# Altium PCB REV0.PcbDoc (part 2 of 2)
Units mil, origin at the board's own origin, x right, y up, seen from the top; angles counter-clockwise.
Board outline 3779.53 x 2440.94 mil, 4 copper layers (Top Layer, Layer 1, Layer 2, Bottom Layer), stack 23.756 mil thick; 116 components, 75 nets, 438 pads, 194 vias.
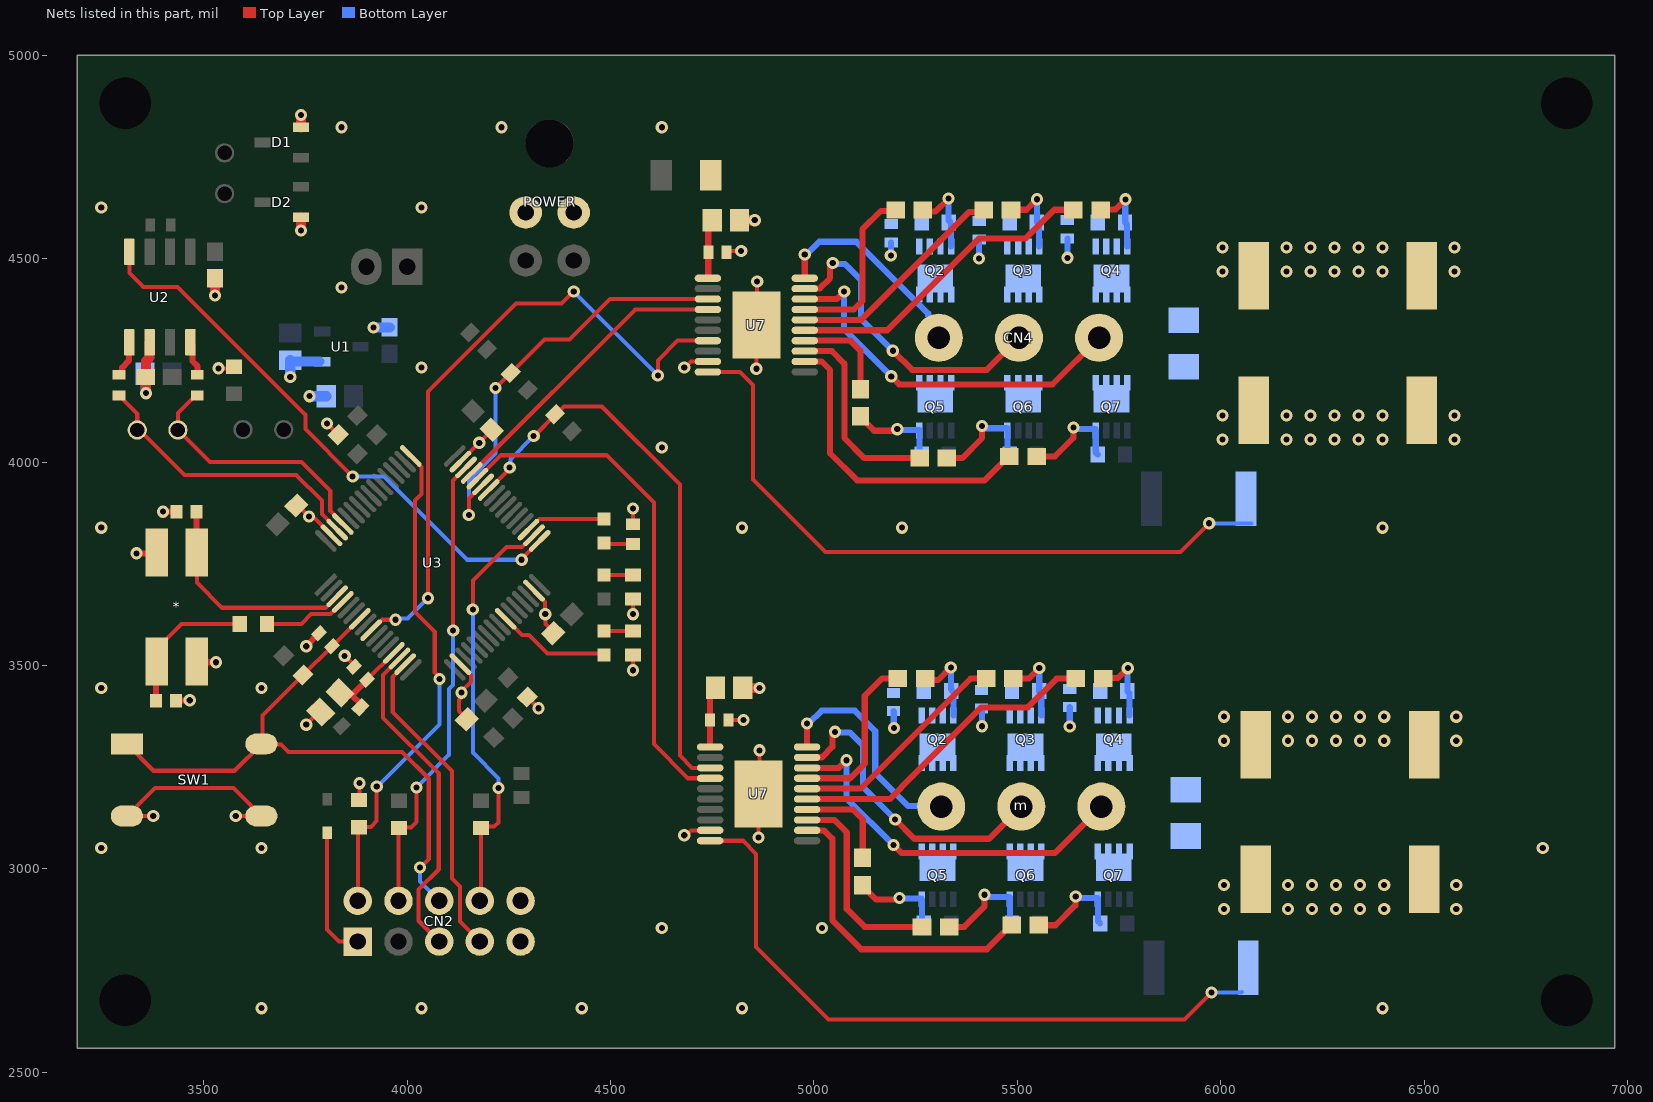
[diagram p4: the nets of this part, all layers, seen from the top]

## Via types
v1: diameter 30, hole 15, Top Layer to Bottom Layer, tented both sides, 194 vias

## Nets (pads, with @x,y where several pads share a name; then routed paths per layer and width w, separated by ;. In a path a pad name is that pad's centre, name@x,y a point inside that pad or via, vN(x,y) a via of type N, cw(c..) or ccw(c..) an arc to the next point about the centre after c; other vN are vias at no path point) (continued)
ESC_SS2: U3.9 U7.7@4739.17,4298.23 | length 1613.1
  Top Layer w10: U3.9@3911.51,3586.57 3912.14,3586.57 3937.78,3612.22 v1@3971.44,3612.22 ; v1(4051.18,3665.35) 4051.18,4173.23 4267.72,4389.76 4379.92,4389.76 v1(4409.45,4419.29) ; v1(4616.14,4212.6) 4616.14,4250 4664.37,4298.23 U7.7@4739.17,4298.23
  Bottom Layer w10: v1(3971.46,3612.2) 3974.88,3615.63 4001.46,3615.63 v1(4051.18,3665.35) ; v1(4409.45,4419.29) v1(4616.14,4212.6)
GHA_ESC1: R32.1@5206.5,3467.72 U7.17@4983.07,3222.64 | length 422.6
  Top Layer w15: U7.17@4983.07,3222.64 5088.79,3222.64 5124.8,3258.66 5124.8,3425.4 5167.13,3467.72 R32.1@5206.5,3467.72
GHA_ESC2: R32.1@5200.79,4620.08 U7.17@4977.36,4375 | length 428.1
  Top Layer w15: U7.17@4977.36,4375 5098.43,4375 5119.1,4395.67 5119.1,4571.85 5164.31,4617.06 5197.77,4617.06 R32.1@5200.79,4620.08
GHB_ESC1: R33.1@5423.03,3467.72 U7.16@4983.07,3197.05 | length 552.1
  Top Layer w15: U7.16@4983.07,3197.05 5114.36,3197.05 5384.8,3467.5 5385.05,3467.72 R33.1@5423.03,3467.72
GHB_ESC2: R33.1@5417.32,4620.08 U7.16@4977.36,4349.41 | length 552.1
  Top Layer w15: U7.16@4977.36,4349.41 5116.14,4349.41 5150.59,4383.86 5380.84,4614.11 5411.35,4614.11 R33.1@5417.32,4620.08
GHC_ESC1: R34.1@5643.51,3467.72 U7.15@4983.07,3171.46 | length 783.1
  Top Layer w15: U7.15@4983.07,3171.46 5185.83,3171.46 5242.91,3228.55 5411.22,3396.86 5525.39,3396.86 5596.26,3467.72 R34.1@5643.51,3467.72
GHC_ESC2: R34.1@5637.8,4620.08 U7.15@4977.36,4323.82 | length 783.1
  Top Layer w15: U7.15@4977.36,4323.82 5180.12,4323.82 5237.2,4380.91 5405.51,4549.21 5519.69,4549.21 5590.55,4620.08 R34.1@5637.8,4620.08
GLA_ESC1: R37.1@5119.88,3026.78 U7.14@4983.07,3145.87 | length 237.6
  Top Layer w15: U7.14@4983.07,3145.87 5091.34,3145.87 ; 5095.28,3145.87 5119.88,3121.27 R37.1@5119.88,3026.78
GLA_ESC2: R37.1@5114.17,4179.13 U7.14@4977.36,4298.23 | length 237.6
  Top Layer w15: U7.14@4977.36,4298.23 5085.63,4298.23 ; 5089.57,4298.23 5114.17,4273.62 R37.1@5114.17,4179.13
GLB_ESC1: R36.1@5265.55,2857.49 U7.13@4983.07,3120.28 | length 501.5
  Top Layer w15: U7.13@4983.07,3120.28 5050,3120.28 5080.51,3089.77 5080.51,2901.77 5124.8,2857.49 R36.1@5265.55,2857.49
GLB_ESC2: R36.1@5259.84,4009.84 U7.13@4977.36,4272.64 | length 498.6
  Top Layer w15: U7.13@4977.36,4272.64 5044.29,4272.64 5074.8,4242.13 5074.8,4059.06 5124.02,4009.84 R36.1@5259.84,4009.84
GLC_ESC1: R35.1@5486.03,2861.42 U7.12@4983.07,3094.69 | length 766.1
  Top Layer w15: U7.12@4983.07,3094.69 5024.41,3094.69 5045.08,3074.02 5045.08,2873.23 5115.94,2802.37 5425.11,2802.37 5484.17,2861.42 R35.1@5486.03,2861.42
GLC_ESC2: R35.1@5480.32,4013.78 U7.12@4977.36,4247.05 | length 768.4
  Top Layer w15: U7.12@4977.36,4247.05 5018.7,4247.05 5039.37,4226.38 5039.37,4021.65 5106.3,3954.72 5419.4,3954.72 5478.46,4013.78 R35.1@5480.32,4013.78
GND: *.2 *.4 C1.1 C2.1 C3.1 C4.1 C5.1 C6.1 C7.1 C8.1 C9.1 C10.1 C11.1 C12.1 C13.1 C14.1 C15.1 C17.2 C18.1 C19.2 C20.2 C21.1 C22.1 C23.1 C25.1 CN2.5 CN2.10 D1.2 D2.1 POWER.1 POWER.2 R4.2 R9.1 R11.1 R13.1 R14.1 R15.1 R16.1 R41.1 SW1.3 SW1.4 U1.1 U2.2 U3.18 U3.31 U3.47 U3.63 U7.9 U7.10 U7.21 | length 6443.6
  Top Layer w10: v1(3375.98,3129.92) SW1.3@3311.02,3129.92 3379.92,3198.82 3572.83,3198.82 SW1.4@3641.73,3129.92 v1(3578.74,3129.92) ; v1(3536.42,4230.31) 3570.87,4230.31 R9.1@3574.8,4234.25 ; C12.1@3727.75,3893.1 3731.9,3893.1 v1(3758.86,3866.14) 3762.68,3862.32 3771.69,3862.32 U3.63@3814.08,3819.93 ; v1(3751.97,3354.33) 3785.39,3387.75 C18.1@3787.36,3385.79 ; v1(3803.15,4094.49) R11.1@3830.71,4066.93 ; v1(3846.46,3523.62) 3869.56,3500.52 C17.2@3869.56,3496.58 ; R4.2@3881.89,3169.29 3882.87,3170.28 v1(3882.87,3210.63) ; U3.18@4130.95,3503.06 4130.95,3502.43 4156.6,3476.79 4156.6,3459.83 4133.86,3437.08 v1(4133.86,3433.07) 4130.03,3429.24 4130.03,3417.93 4126.97,3414.86 4126.97,3388.55 4146.87,3368.65 C14.1@4146.87,3367.34 ; U3.47@4130.95,4000.88 4130.95,4000.96 v1(4177.17,4047.24) v1(4177.17,4047.24) 4208.06,4078.14 C13.1@4208.06,4079.34 ; R13.1@4295.32,3422.2 v1(4322.87,3394.64) ; U3.31@4311.9,3684.01 4311.9,3683.38 4339.3,3655.98 4339.3,3626.25 v1(4339.57,3625.98) 4339.57,3601.38 4358.87,3582.08 C11.1@4358.87,3579.34 ; v1(4555.12,3488.19) R14.1@4555.12,3525.59 ; v1(4555.12,3625.98) R15.1@4555.12,3663.39 ; R16.1@4555.12,3847.06 v1(4555.12,3885.83) ; v1(4681.1,3082.68) 4685.39,3082.68 4697.4,3094.69 U7.9@4744.88,3094.69 ; v1(4681.1,4232.28) 4682.58,4232.28 4697.34,4247.05 U7.9@4739.17,4247.05 ; U7.10@4739.17,4221.46 4817.91,4221.46 4850.39,4188.98 4850.39,3956.69 5027.91,3779.18 5901.23,3779.18 v1(5971.46,3849.41) ; U7.10@4744.88,3069.1 4825.59,3069.1 4858.03,3036.65 4858.03,2807.58 5036.01,2629.61 5911.1,2629.61 v1(5977.36,2695.87) ; C25.1@4783.66,4518.5 v1(4821.06,4518.5) ; C25.1@4796.67,3354.9 4789.37,3362.2 C25.1@4789.37,3366.14 v1(4826.77,3366.14) ; v1(4858.27,4229.32) U7.21@4858.27,4336.61 ; U7.21@4860.43,4338.78 v1(4860.43,4443.69) ; v1(4863.98,3076.97) U7.21@4863.98,3184.26 4866.14,3186.42 v1(4866.14,3291.34)
  Top Layer w15: v1(3334.65,3775.59) 3382.53,3775.59 *.4@3384.5,3777.56 *.4@3384.84,3777.21 ; v1(3399.61,3877.95) C8.1@3433.07,3877.95 ; C7.1@3432.09,3413.39 3432.58,3413.88 3465.06,3413.88 v1(3465.55,3414.37) ; *.2@3482.92,3478.35 *.2@3482.92,3509.84 3484.89,3507.87 v1(3530.51,3507.87) ; v1(3751.97,3547.24) 3751.97,3547.5 3783.21,3578.74 C9.1@3783.21,3579
  Top Layer w25: v1(3358.27,4169.29) 3357.74,4169.82 3357.74,4208.13 C5.1@3357.21,4208.66 3358.27,4209.72 3358.27,4248.03 3366.8,4256.57 3366.8,4294 U2.2@3367.1,4294.29 ; v1(3527.56,4409.45) C6.1@3527.56,4451.69 ; v1(3739.17,4568.9) D2.1@3739.17,4601.38 ; D1.2@3739.17,4822.84 v1(3739.17,4853.35) ; C15.1@4816.93,4594.49 v1(4854.33,4594.49) ; C15.1@4824.8,3444.88 v1(4866.14,3444.88)
  Bottom Layer w10: C1.1@3801.18,4161.42 C1.1@3801.18,4161.82 ; C2.1@3956.69,4331.77 C2.1@3957.75,4330.71 ; v1(5971.46,3849.41) R41.1@6075.79,3849.41 ; v1(5977.36,2695.87) 6050.37,2695.87 R41.1@6052.17,2697.66
  Bottom Layer w15: v1(5188.98,4507.87) 5189.37,4508.27 5189.37,4539.37 C23.1@5189.76,4539.76 ; C23.1@5195.47,3387.41 5196.16,3386.72 5196.16,3347.15 v1(5196.85,3346.46) ; v1(5405.51,4500) 5405.91,4500.39 5405.91,4546.26 C21.1@5406.3,4546.65 ; C21.1@5412.01,3394.3 5412.7,3393.61 5412.7,3351.08 v1(5413.39,3350.39) ; C22.1@5622.84,4549.61 5622.93,4549.51 5622.93,4502.07 v1(5623.03,4501.97) ; C22.1@5628.54,3397.25 5628.64,3397.15 5628.64,3349.71 v1(5628.74,3349.61)
  Bottom Layer w25: C4.1@3355.32,4216.54 3357.31,4214.54 3357.31,4170.25 v1(3358.27,4169.29) ; v1(3712.6,4208.66) C3.1@3712.6,4250 3715.85,4246.75 U1.1@3784.15,4246.75 ; v1(3759.84,4161.82) 3760.05,4161.62 3800.98,4161.62 C1.1@3801.18,4161.42 ; v1(3917.32,4330.71) C2.1@3957.75,4330.71
  other v1: 3641.73,2657.48 4035.43,2657.48 4429.13,2657.48 4822.83,2657.48 6397.64,2657.48 4625.98,2854.33 5019.69,2854.33 6007.87,2901.57 6165.35,2901.57 6224.41,2901.57 6283.46,2901.57 6342.52,2901.57 6401.57,2901.57 6578.74,2901.57 6007.87,2960.63 6165.35,2960.63 6224.41,2960.63 6283.46,2960.63 6342.52,2960.63 6401.57,2960.63 6578.74,2960.63 3248.03,3051.18 3641.73,3051.18 6791.34,3051.18 3248.03,3444.88 3641.73,3444.88 3248.03,3838.58 4822.83,3838.58 5216.54,3838.58 6397.64,3838.58 4625.98,4035.43 6003.94,4055.12 6161.42,4055.12 6220.47,4055.12 6279.53,4055.12 6338.58,4055.12 6397.64,4055.12 6574.8,4055.12 6003.94,4114.17 6161.42,4114.17 6220.47,4114.17 6279.53,4114.17 6338.58,4114.17 6397.64,4114.17 6574.8,4114.17 4035.43,4232.28 3838.58,4429.13 3248.03,4625.98 4035.43,4625.98 3838.58,4822.83 4232.28,4822.83 4625.98,4822.83
Green: D4.2 U3.26 | length 278.7
  Top Layer w10: U3.26@4242.31,3614.41 4281.92,3574.8 4299.21,3574.8 4344.49,3529.53 4480.32,3529.53 D4.2@4484.25,3525.59
Net*_1: *.1 C7.2 R18.2 | length 358
  Top Layer w10: *.1@3382.87,3539.72 3445.52,3602.36 R18.2@3588.58,3602.36
  Top Layer w15: C7.2@3382.87,3413.39 *.1@3382.87,3539.72
NetCN2_1: CN2.1 D3.A | length 325.8
  Top Layer w10: D3.A@3803.15,3088.58 3803.15,2850.39 3832.28,2821.26 CN2.1@3878.74,2821.26
NetD4_1: D4.1 R14.2 | length 70.9
  Top Layer w10: D4.1@4484.25,3584.65 R14.2@4555.12,3584.65
NetD5_1: D5.1 R15.2 | length 70.9
  Top Layer w10: D5.1@4484.25,3722.44 R15.2@4555.12,3722.44
NetD6_1: D6.1 R16.2 | length 71.9
  Top Layer w10: D6.1@4484.25,3801.18 4486.82,3798.61 R16.2@4555.12,3798.61
NetQ2_ESC1_4: Q2.4@5342.72,3377.27 R29.1@5337.2,3436.62 R32.2@5273.49,3467.72 | length 200
  Top Layer w15: R32.2@5273.49,3467.72 5277.43,3463.79 5304.92,3463.79 v1(5336.42,3495.28)
  Bottom Layer w10: R29.1@5339.37,3438.79 R29.1@5337.2,3436.62 R29.1@5342.72,3431.11
  Bottom Layer w15: v1(5336.42,3495.28) 5336.81,3494.89 5336.81,3441.35 R29.1@5339.37,3438.79 ; Q2.4@5342.72,3377.27 R29.1@5342.72,3431.11
NetQ2_ESC2_4: Q2.4@5337.01,4529.63 R29.1@5331.5,4588.98 R32.2@5267.78,4620.08 | length 200
  Top Layer w15: R32.2@5267.78,4620.08 5271.72,4616.14 5299.21,4616.14 v1(5330.71,4647.64)
  Bottom Layer w10: R29.1@5333.66,4591.14 R29.1@5331.5,4588.98 R29.1@5337.01,4583.46
  Bottom Layer w15: v1(5330.71,4647.64) 5331.1,4647.24 5331.1,4593.7 R29.1@5333.66,4591.14 ; Q2.4@5337.01,4529.63 R29.1@5337.01,4583.46
NetQ3_ESC1_4: Q3.4@5559.25,3377.27 R30.1@5553.74,3436.62 R33.2@5490.03,3467.72 | length 193.1
  Top Layer w15: R33.2@5490.03,3467.72 5528.09,3467.72 v1(5553.87,3493.51)
  Bottom Layer w15: v1(5553.87,3493.51) 5553.74,3493.38 R30.1@5553.74,3436.62 5558.78,3431.58 5558.78,3377.74 Q3.4@5559.25,3377.27
NetQ3_ESC2_4: Q3.4@5553.54,4529.63 R30.1@5548.03,4588.98 R33.2@5484.32,4620.08 | length 193.1
  Top Layer w15: R33.2@5484.32,4620.08 5522.38,4620.08 v1(5548.16,4645.86)
  Bottom Layer w15: v1(5548.16,4645.86) 5548.03,4645.73 R30.1@5548.03,4588.98 5553.07,4583.94 5553.07,4530.1 Q3.4@5553.54,4529.63
NetQ4_ESC1_4: Q4.4@5775.79,3377.27 R31.1@5770.27,3436.62 R34.2@5710.5,3467.72 | length 190.4
  Top Layer w15: R34.2@5710.5,3467.72 5711.62,3468.84 5746.98,3468.84 v1(5771.46,3493.31)
  Bottom Layer w15: v1(5771.46,3493.31) 5770.87,3492.72 5770.87,3437.21 R31.1@5770.27,3436.62 5775.31,3431.58 5775.31,3377.74 Q4.4@5775.79,3377.27
NetQ4_ESC2_4: Q4.4@5770.08,4529.63 R31.1@5764.57,4588.98 R34.2@5704.79,4620.08 | length 190.4
  Top Layer w15: R34.2@5704.79,4620.08 5705.91,4621.19 5741.27,4621.19 v1(5765.75,4645.67)
  Bottom Layer w15: v1(5765.75,4645.67) 5765.16,4645.08 5765.16,4589.57 R31.1@5764.57,4588.98 5769.61,4583.94 5769.61,4530.1 Q4.4@5770.08,4529.63
NetQ5_ESC1_4: Q5.4@5264.76,2925.1 R37.2@5119.88,2959.78 R38.2@5270.28,2865.75 | length 226.6
  Top Layer w15: R37.2@5119.88,2959.78 R37.2@5119.88,2959.78 5119.88,2957.92 5153.39,2924.42 5206.5,2924.42 v1(5210.43,2928.35) v1@5210.43,2927.77
  Bottom Layer w15: v1(5210.43,2928.35) 5212.06,2926.73 5264.29,2926.73 5264.76,2926.26 Q5.4@5264.76,2925.1 5265.24,2924.63 5265.24,2870.79 R38.2@5270.28,2865.75
NetQ5_ESC2_4: Q5.4@5259.06,4077.46 R37.2@5114.17,4112.14 R38.2@5264.57,4018.11 | length 226.6
  Top Layer w15: R37.2@5114.24,4112.21 R37.2@5114.17,4112.14 5114.17,4110.28 5147.68,4076.77 5200.79,4076.77 v1(5204.73,4080.71) v1@5204.73,4080.12
  Bottom Layer w15: v1(5204.73,4080.71) 5206.35,4079.08 5258.58,4079.08 5259.06,4078.61 Q5.4@5259.06,4077.46 5259.53,4076.99 5259.53,4023.15 R38.2@5264.57,4018.11
NetQ6_ESC1_4: Q6.4@5481.3,2925.1 R36.2@5332.55,2857.49 R39.2@5486.81,2865.75 | length 285
  Top Layer w15: R36.2@5347.81,2870.9 5334.41,2857.49 5369.3,2857.49 5419.09,2907.28 v1(5419.09,2936.23)
  Bottom Layer w15: v1(5419.09,2936.23) 5424.66,2930.67 5480.83,2930.67 5481.3,2930.19 Q6.4@5481.3,2925.1 5481.77,2924.63 5481.77,2871.74 5481.3,2871.27 R39.2@5486.81,2865.75
NetQ6_ESC2_4: Q6.4@5475.59,4077.46 R36.2@5326.84,4009.84 R39.2@5481.1,4018.11 | length 285.4
  Top Layer w15: R36.2@5342.11,4023.25 5328.7,4009.84 5364.17,4009.84 5413.39,4059.05 v1(5413.39,4088.58)
  Bottom Layer w15: v1(5413.39,4088.58) 5418.95,4083.02 5475.12,4083.02 5475.59,4082.55 Q6.4@5475.59,4077.46 5476.06,4076.99 5476.06,4024.09 5475.59,4023.62 R39.2@5481.1,4018.11
NetQ7_ESC1_4: Q7.4@5697.84,2925.1 R35.2@5553.02,2861.42 R40.2@5703.35,2865.75 | length 252.9
  Top Layer w15: R35.2@5553.02,2861.42 5593.71,2861.42 5642.52,2910.24 5642.52,2931.31 v1(5643.5,2932.29)
  Bottom Layer w15: v1(5643.5,2932.29) 5647.1,2928.7 5697.36,2928.7 5697.83,2928.22 Q7.4@5697.84,2925.1 5698.31,2924.63 5698.31,2870.79 R40.2@5703.35,2865.75
NetQ7_ESC2_4: Q7.4@5692.13,4077.46 R35.2@5547.31,4013.78 R40.2@5697.64,4018.11 | length 255.6
  Top Layer w15: R35.2@5547.31,4013.78 5592.52,4013.78 5637.8,4059.06 v1(5637.8,4084.65)
  Bottom Layer w15: v1(5637.8,4084.65) 5641.39,4081.05 5691.65,4081.05 5692.13,4080.58 Q7.4@5692.13,4077.46 5692.6,4076.99 5692.6,4023.15 R40.2@5697.64,4018.11
NetR1_2: R1.2 U2.1 | length 92.5
  Top Layer w15: R1.2@3291.34,4214.57 3294.9,4214.57 3299.21,4218.88 3299.21,4232.28 3316.17,4249.24 3316.17,4293.37 U2.1@3317.1,4294.29
NetR3_2: R3.2 U2.4 | length 86.8
  Top Layer w15: U2.4@3467.1,4294.29 3472.39,4289 3472.39,4248.08 3484.25,4236.22 R3.2@3484.25,4214.57
NetU2_8: U2.8 U3.33 | length 1393.9
  Top Layer w10: U2.8@3317.1,4516.73 3317.1,4464.4 3351.38,4430.12 3436.02,4430.12 3750,4116.14 3750,4080.71 v1(3866.14,3964.57) ; v1(4281.5,3759.84) 4281.5,3761.06 4325.82,3805.39 U3.33@4325.82,3806.01
  Bottom Layer w10: v1(3866.14,3964.57) 3942.91,3964.57 4147.64,3759.84 v1(4281.5,3759.84)
NRST: C9.2 CN2.8 R5.1 SW1.1 SW1.2 U3.7 | length 1567.9
  Top Layer w10: SW1.1@3311.02,3307.09 3376.97,3241.14 3575.79,3241.14 SW1.2@3641.73,3307.09 SW1.2@3644.37,3309.72 ; U3.7@3883.68,3614.41 3883.16,3614.41 3815.74,3546.99 C9.2@3815.22,3546.99 3744.57,3476.34 R5.1@3744.14,3476.34 3644.37,3376.65 SW1.2@3644.37,3309.72 ; v1(4031.5,3002.95) 4053.15,3024.61 4053.15,3221.46 3987.2,3287.4 3708.66,3287.4 3690.24,3305.82 3648.27,3305.82 SW1.2@3644.37,3309.72
  Bottom Layer w10: v1(4031.5,3002.95) 4031.5,2968.5 CN2.8@4078.74,2921.26
OSC_IN: *.3 C8.2 U3.3 | length 557.1
  Top Layer w10: *.3@3482.92,3777.56 3482.92,3703.5 3544.69,3641.73 3799.64,3641.73 U3.3@3828,3670.09
  Top Layer w15: C8.2@3482.28,3877.95 3482.28,3778.2 *.3@3482.92,3777.56
OSC_OUT: R18.1 U3.4 | length 208.7
  Top Layer w10: R18.1@3655.51,3602.36 3740.16,3602.36 3763.78,3625.98 3811.73,3625.98 U3.4@3841.92,3656.17
PWM1: U3.44 U7.4@4744.88,3222.64 | length 1272.6
  Top Layer w10: U3.44@4172.71,3959.12 4230.32,4016.73 4490.16,4016.73 4606.3,3900.59 4606.3,3307.09 4690.74,3222.64 U7.4@4744.88,3222.64
PWM2: U3.45 U7.4@4739.17,4375 | length 746.9
  Top Layer w10: U3.45@4158.79,3973.04 4560.75,4375 U7.4@4739.17,4375
Red: D6.2 U3.35 | length 197.2
  Top Layer w10: U3.35@4297.99,3833.85 4298.61,3833.85 4325,3860.24 D6.2@4484.25,3860.24
RX: JP1.2 R3.1 U3.61 | length 637.2
  Top Layer w10: R3.1@3484.25,4163.39 3480.31,4163.39 3437.01,4120.08 3437.01,4079.13 JP1.2@3436.61,4078.74 3515.35,4000 3740.16,4000 3811.02,3929.13 3811.02,3879.29 3841.92,3848.39 U3.61@3841.92,3847.77
SA_ESC1: m.1 Q2.5@5342.72,3259.75 Q2.6@5316.73,3259.75 Q2.7@5290.75,3259.75 Q2.8@5264.76,3259.75 Q2.9@5303.74,3298.83 Q5.5@5264.76,3042.62 Q5.6@5290.75,3042.62 Q5.7@5316.73,3042.62 Q5.8@5342.72,3042.62 Q5.9@5303.74,3003.55 U7.20@4983.07,3299.42 | length 565.6
  Top Layer w15: U7.20@4983.07,3299.42 v1(4983.07,3357.49)
  Bottom Layer w15: v1(4983.07,3357.49) 4987.25,3357.49 5018.75,3388.98 5100.2,3388.98 5150.71,3338.47 5150.71,3234.92 5231.24,3154.38 5311.5,3154.38 m.1@5312.8,3153.09
  Bottom Layer w50: m.1@5308.27,3148.56 m.1@5312.8,3153.09
SA_ESC2: CN4.1 Q2.5@5337.01,4412.11 Q2.6@5311.02,4412.11 Q2.7@5285.04,4412.11 Q2.8@5259.06,4412.11 Q2.9@5298.03,4451.18 Q5.5@5259.06,4194.98 Q5.6@5285.04,4194.98 Q5.7@5311.02,4194.98 Q5.8@5337.01,4194.98 Q5.9@5298.03,4155.91 U7.20@4977.36,4451.77 | length 518
  Top Layer w15: U7.20@4977.36,4451.77 v1(4977.36,4509.84)
  Bottom Layer w15: v1(4977.36,4509.84) 4981.55,4509.84 5013.04,4541.34 5104.33,4541.34 5280.99,4364.68 5280.99,4359.44 5307.09,4333.34 CN4.1@5307.09,4305.44
SB_ESC1: m.2 Q3.5@5559.25,3259.75 Q3.6@5533.27,3259.75 Q3.7@5507.28,3259.75 Q3.8@5481.3,3259.75 Q3.9@5520.27,3298.83 Q6.5@5481.3,3042.62 Q6.6@5507.28,3042.62 Q6.7@5533.27,3042.62 Q6.8@5559.25,3042.62 Q6.9@5520.28,3003.55 U7.19@4983.07,3273.82 | length 772.1
  Top Layer w15: U7.19@4983.07,3273.82 4983.59,3274.35 5020.01,3274.35 5045.27,3299.61 5045.27,3330.12 v1(5051.97,3336.82) ; v1(5199.61,3121.27) 5246.85,3074.02 5430.58,3074.02 m.2@5509.65,3153.09
  Bottom Layer w15: v1(5051.97,3336.82) 5053.33,3335.45 5087.78,3335.45 5120.87,3302.37 5120.87,3200.01 v1(5199.61,3121.27)
SB_ESC2: CN4.2 Q3.5@5553.54,4412.11 Q3.6@5527.56,4412.11 Q3.7@5501.58,4412.11 Q3.8@5475.59,4412.11 Q3.9@5514.57,4451.18 Q6.5@5475.59,4194.98 Q6.6@5501.58,4194.98 Q6.7@5527.56,4194.98 Q6.8@5553.54,4194.98 Q6.9@5514.57,4155.91 U7.19@4977.36,4426.18 | length 768.1
  Top Layer w15: U7.19@4977.36,4426.18 4977.88,4426.7 5014.3,4426.7 5039.56,4451.96 5039.56,4482.48 v1(5046.26,4489.17) ; v1(5193.9,4273.62) 5241.14,4226.38 5424.87,4226.38 CN4.2@5503.94,4305.44
  Bottom Layer w15: v1(5046.26,4489.17) 5049.13,4486.3 5076.69,4486.3 5115.16,4447.83 5115.16,4352.36 v1(5193.9,4273.62)
SC_ESC1: m.3 Q4.5@5775.79,3259.75 Q4.6@5749.8,3259.75 Q4.7@5723.82,3259.75 Q4.8@5697.83,3259.75 Q4.9@5736.81,3298.83 Q7.5@5697.84,3042.62 Q7.6@5723.82,3042.62 Q7.7@5749.8,3042.62 Q7.8@5775.79,3042.62 Q7.9@5736.81,3003.55 U7.18@4983.07,3248.23 | length 964.5
  Top Layer w15: U7.18@4983.07,3248.23 5061.2,3248.23 v1(5079.9,3266.94) ; v1(5195.67,3058.27) 5215.36,3038.59 5592,3038.59 m.3@5706.5,3153.09
  Bottom Layer w15: v1(5079.9,3266.94) 5079.9,3174.04 v1(5195.67,3058.27)
  Bottom Layer w50: m.3@5706.5,3134.66 m.3@5706.5,3153.09 m.3@5706.5,3171.52
SC_ESC2: CN4.3 Q4.5@5770.08,4412.11 Q4.6@5744.1,4412.11 Q4.7@5718.11,4412.11 Q4.8@5692.13,4412.11 Q4.9@5731.1,4451.18 Q7.5@5692.13,4194.98 Q7.6@5718.11,4194.98 Q7.7@5744.1,4194.98 Q7.8@5770.08,4194.98 Q7.9@5731.1,4155.91 U7.18@4977.36,4400.59 | length 964.5
  Top Layer w15: U7.18@4977.36,4400.59 5055.49,4400.59 v1(5074.19,4419.29) ; v1(5189.96,4210.63) 5209.65,4190.95 5586.29,4190.95 CN4.3@5700.79,4305.44
  Bottom Layer w15: v1(5074.19,4419.29) 5074.19,4326.4 v1(5189.96,4210.63)
  Bottom Layer w50: CN4.3@5700.79,4287.01 CN4.3@5700.79,4305.44 CN4.3@5700.79,4323.88
SPD1: R17.2@4363.75,4117.55 U3.42 U7.3@4744.88,3248.23 | length 1400.9
  Top Layer w10: U3.42@4200.55,3931.29 4200.55,3931.91 4251.97,3983.33 v1(4251.97,3986.22) ; v1(4311.02,4063.98) 4312.42,4063.98 4364.87,4116.43 4385.26,4136.81 4478.35,4136.81 4670.28,3944.88 4670.28,3278.54 4700.59,3248.23 U7.3@4744.88,3248.23
  Bottom Layer w10: v1(4251.97,3986.22) 4253.83,3988.08 4253.83,4006.78 v1(4311.02,4063.98)
SPD2: R17.2@4254.71,4218.71 U3.43 U7.3@4739.17,4400.59 | length 1041
  Top Layer w10: v1(4151.57,3870.08) 4151.57,3910.15 U3.43@4186.63,3945.2 ; v1(4217.52,4182.09) R17.2@4254.43,4219 ; R17.2@4254.71,4218.71 4337.18,4301.18 4399.61,4301.18 4499.01,4400.59 U7.3@4739.17,4400.59
  Bottom Layer w10: v1(4151.57,3870.08) 4151.57,3954.72 4217.52,4020.67 v1(4217.52,4182.09)
SWCLK: CN2.6 R4.1 U3.49 | length 1243.2
  Top Layer w10: CN2.6@3878.74,2921.26 3878.74,3103.54 R4.1@3885.04,3103.54 ; R4.1@3881.89,3102.36 3882.17,3102.65 3910.72,3102.65 3925.2,3117.13 v1(3925.2,3202.76) ; U3.49@4008.95,4014.8 4008.95,4014.18 4035.43,3987.7 4035.43,3921.26 4019.68,3905.51 4019.68,3630.91 4067.91,3582.68 4067.91,3482.39 4079.72,3470.58 v1(4079.72,3466.54)
  Bottom Layer w10: v1(3925.2,3202.76) 3927.09,3202.76 4079.72,3355.39 v1(4079.72,3466.54)
SWDIO: CN2.7 R6.1 U3.46 | length 1150
  Top Layer w10: CN2.7@3978.74,2921.26 R6.1@3978.74,3100.39 ; R6.1@3980.31,3100.39 3981.58,3101.66 4009.14,3101.66 4022.64,3115.16 v1(4022.64,3199.8) ; v1(4113.19,3585.63) 4113.19,3954.66 4144.87,3986.34 U3.46@4144.87,3986.96
  Bottom Layer w10: v1(4022.64,3199.8) 4103.35,3280.51 4103.35,3441.98 4113.19,3451.82 v1(4113.19,3585.63)
SWO: CN2.9 R8.1 U3.34 | length 1046.5
  Top Layer w10: v1(4161.42,3637.8) 4161.42,3708.66 4244.09,3791.34 4282.69,3791.34 4311.28,3819.93 U3.34@4311.9,3819.93 ; CN2.9@4178.74,2921.26 4181.1,2923.62 R8.1@4181.1,3100.39 4184.34,3103.63 4213.87,3103.63 4224.41,3114.17 v1(4224.41,3198.82)
  Bottom Layer w10: v1(4161.42,3637.8) 4161.42,3444.93 4161.73,3444.62 4161.73,3421.53 4161.42,3421.21 4161.42,3285.43 4224.41,3222.44 v1(4224.41,3198.82)
TX: JP1.1 R1.1 U3.62 | length 716.1
  Top Layer w10: R1.1@3291.34,4163.39 3336.61,4118.11 JP1.1@3336.61,4078.74 3342.52,4078.74 3452.76,3968.5 3727.36,3968.5 3790.35,3905.51 3790.35,3871.93 3828,3834.28 U3.62@3828,3833.85
UART_RX: CN2.4 U3.15 | length 783.1
  Top Layer w10: U3.15@3995.03,3503.06 3995.03,3502.43 3964.57,3471.97 3964.57,3385.83 4110.24,3240.16 4110.24,2976.38 4129.92,2956.69 4129.92,2870.08 CN2.4@4178.74,2821.26
UART_TX: CN2.3 U3.14 | length 811
  Top Layer w10: U3.14@3981.11,3516.97 3940.94,3476.81 3940.94,3371.06 4077.76,3234.25 4077.76,2999.02 4027.56,2948.82 4027.56,2872.44 CN2.3@4078.74,2821.26
VBAT: C10.2 C15.2 C19.1 C20.1 C21.2 C22.2 C23.2 C25.2 F2.2 Q2.1 Q2.2 Q2.3 Q3.1 Q3.2 Q3.3 Q4.1 Q4.2 Q4.3 R29.2 R30.2 R31.2 U7.1 | length 278.9
  Top Layer w15: U7.1@4739.17,4451.77 4740.16,4452.76 C25.2@4740.16,4515.75 C15.2@4740.16,4578.74 ; U7.1@4744.88,3299.42 4744.09,3300.2 4744.09,3431.1 C15.2@4757.87,3444.88
  other v1: 6007.87,3314.96 6165.35,3314.96 6224.41,3314.96 6283.46,3314.96 6342.52,3314.96 6401.57,3314.96 6578.74,3314.96 6007.87,3374.02 6165.35,3374.02 6224.41,3374.02 6283.46,3374.02 6342.52,3374.02 6401.57,3374.02 6578.74,3374.02 6003.94,4468.5 6161.42,4468.5 6220.47,4468.5 6279.53,4468.5 6338.58,4468.5 6397.64,4468.5 6574.8,4468.5 6003.94,4527.56 6161.42,4527.56 6220.47,4527.56 6279.53,4527.56 6338.58,4527.56 6397.64,4527.56 6574.8,4527.56
VDDA/VREF+: C17.1 C18.2 FB1.2 U3.13 | length 247.6
  Top Layer w10: C17.1@3901.57,3464.92 3967.19,3530.54 U3.13@3967.19,3530.89
  Top Layer w15: FB1.2@3885.17,3396.98 3889.76,3401.58 C18.2@3864.17,3427.17 ; C17.1@3901.57,3464.57 C18.2@3864.17,3427.17 ; C18.2@3837.38,3430.41 C18.2@3834.69,3433.11 C18.2@3837.38,3430.41 ; C18.2@3837.38,3430.41 C18.2@3860.18,3430.41 ; C18.2@3837.38,3430.41 C18.2@3860.18,3430.41 ; C18.2@3860.18,3430.41 3860.56,3430.78 C18.2@3864.17,3427.17
pads on no net: D1.3 D2.3 MH1. MH2. MH3. MH4. POWER.None U3.2 U3.5 U3.6 U3.10 U3.11 U3.12 U3.24 U3.25 U3.27 U3.28 U3.29 U3.30 U3.36 U3.37 U3.38 U3.39 U3.40 U3.41 U3.51 U3.52 U3.53 U3.54 U3.55 U3.56 U3.57 U3.58

## Polygon pours and split planes (outlines as drawn)
VBAT on Bottom Layer "Bottom Layer-VBAT" (solid, pour order 62): 5985.24,4816.93 5221.46,4816.93 5171.26,4766.73 5171.26,4572.83 5206.2,4572.83 5251.97,4527.07 5251.97,4510.83 5318.9,4510.83 5318.9,4549.21 5287.4,4580.71 5287.4,4649.61 5309.06,4671.26 5348.42,4671.26 5370.08,4649.61 5370.08,4600.39 5390.75,4579.72 5417.32,4579.72 5467.52,4529.53 5467.52,4509.84 5535.43,4509.84 5535.43,4548.23 5503.94,4579.72 5503.94,4649.61 5525.59,4671.26 5564.96,4671.26 5586.61,4649.61 5586.61,4602.85 5606.3,4583.17 5637.3,4583.17 5684.55,4535.92 5684.55,4510.83 5752.46,4510.83 5752.46,4546.75 5716.04,4583.17 5716.04,4645.18 5742.13,4671.26 5789.37,4671.26 5814.96,4645.67 5814.96,4429.13 5912.4,4331.69 6572.83,4331.69 6639.76,4398.62 6639.76,4545.28 6562.99,4622.05 6180.12,4622.05
GND on Bottom Layer "Bottom Layer-GND" (solid, remove dead copper, pour order 78): 4595.61,2559.06 6968.5,2559.06 6968.5,5000 4241.28,5000 4241.28,4590.34 4262.73,4568.9 4321.78,4568.9 4592.98,4297.7 cw(c4586.62,4291.34) 4595.61,4291.34
Current_Shunt_ESC2_P on Bottom Layer "Bottom Layer-Current_Shunt_H_ESC2" (solid, pour order 63): 5735.24,3994.09 5725.39,3984.25 5673.23,3984.25 5561.02,4096.46 5493.11,4096.46 5493.11,4058.07 5496.06,4055.12 5502.95,4055.12 5518.7,4039.37 5518.7,3994.09 5508.86,3984.25 5455.71,3984.25 5344.49,4095.47 5276.57,4095.47 5276.57,4057.09 5279.53,4054.13 5286.42,4054.13 5302.17,4038.39 5302.17,3988.78 5288.39,3975 5288.39,3860.24 5330.71,3817.91 5830.71,3817.91 5855.32,3842.52 5855.32,3984.25 5855.32,4019.68 5777.56,4097.44 5709.65,4097.44 5709.65,4058.07 5712.6,4055.12 5719.49,4055.12 5735.24,4039.37
SA_ESC2 on Bottom Layer "SA_ESC2_L04_P064" (solid, pour order 64): 5256.89,4206.69 5245.08,4218.5 5245.08,4387.79 5256.89,4399.61 5256.89,4470.47 5339.57,4470.47 5339.57,4407.48 5339.57,4399.61 5371.06,4368.11 5371.06,4238.19 5339.57,4206.69 5339.57,4198.82 5339.57,4139.76 5256.89,4139.76
SB_ESC2 on Bottom Layer "SB_ESC2_L04_P065" (solid, pour order 65): 5473.43,4206.69 5441.93,4238.19 5441.93,4368.11 5473.43,4399.61 5473.43,4470.47 5556.1,4470.47 5556.1,4407.48 5556.1,4399.61 5567.91,4387.8 5567.91,4218.5 5556.1,4206.69 5556.1,4198.82 5556.1,4139.76 5473.43,4139.76
SC_ESC2 on Bottom Layer "SC_ESC2_L04_P066" (solid, pour order 66): 5689.96,4206.69 5638.78,4257.87 5638.78,4348.42 5689.96,4399.61 5689.96,4470.47 5772.64,4470.47 5772.64,4139.76 5689.96,4139.76
VBAT on Bottom Layer "Bottom Layer-VBAT" (solid, pour order 67): 5991.14,3664.37 5227.36,3664.37 5177.17,3614.17 5177.17,3420.28 5212.11,3420.28 5257.87,3374.51 5257.87,3358.27 5324.8,3358.27 5324.8,3396.65 5293.31,3428.15 5293.31,3498.03 5313.98,3518.7 5351.38,3518.7 5375.98,3494.09 5375.98,3448.82 5396.65,3428.15 5422.24,3428.15 5473.43,3376.97 5473.43,3357.28 5542.32,3357.28 5542.32,3395.67 5509.84,3428.15 5509.84,3498.03 5530.51,3518.7 5571.85,3518.7 5592.52,3498.03 5592.52,3450.3 5612.7,3430.12 5639.76,3430.12 5690.45,3379.43 5690.45,3358.27 5757.87,3358.27 5757.87,3395.67 5721.95,3431.59 5721.95,3493.6 5747.05,3518.7 5792.32,3518.7 5820.87,3490.16 5820.87,3269.68 5911.42,3179.13 6578.74,3179.13 6645.67,3246.06 6645.67,3392.72 6568.9,3469.49 6186.02,3469.49
Current_Shunt_ESC1_P on Bottom Layer "Bottom Layer-Current_Shunt_H_ESC2" (solid, pour order 68): 5741.14,2844.49 5728.35,2831.69 5679.13,2831.69 5566.93,2943.9 5499.02,2943.9 5499.02,2905.51 5501.97,2902.56 5508.86,2902.56 5524.61,2886.81 5524.61,2842.52 5513.78,2831.69 5461.61,2831.69 5350.39,2942.91 5282.48,2942.91 5282.48,2904.53 5285.43,2901.57 5292.32,2901.57 5308.07,2885.83 5308.07,2836.22 5294.29,2822.44 5294.29,2707.68 5336.61,2665.35 5836.61,2665.35 5861.22,2689.96 5861.22,2831.69 5861.22,2867.13 5783.46,2944.88 5715.55,2944.88 5715.55,2905.51 5718.5,2902.56 5725.39,2902.56 5741.14,2886.81
SA_ESC1 on Bottom Layer "SA_ESC1_L04_P069" (solid, pour order 69): 5262.8,3054.13 5250.98,3065.94 5250.98,3235.24 5262.8,3247.05 5262.8,3317.91 5345.47,3317.91 5345.47,3254.92 5345.47,3247.05 5376.97,3215.55 5376.97,3085.63 5345.47,3054.13 5345.47,3046.26 5345.47,2987.2 5262.8,2987.2
SB_ESC1 on Bottom Layer "SB_ESC1_L04_P070" (solid, pour order 70): 5479.33,3054.13 5447.83,3085.63 5447.83,3215.55 5479.33,3247.05 5479.33,3317.91 5562.01,3317.91 5562.01,3254.92 5562.01,3247.05 5573.82,3235.24 5573.82,3065.94 5562.01,3054.13 5562.01,3046.26 5562.01,2987.2 5479.33,2987.2
SC_ESC1 on Bottom Layer "SC_ESC1_L04_P075" (solid, pour order 75): 5695.87,3054.13 5644.69,3105.32 5644.69,3195.87 5695.87,3247.05 5695.87,3317.91 5778.54,3317.91 5778.54,2987.2 5695.87,2987.2
5V on Bottom Layer "5V_L04_P076" (solid, pour order 76): 4247.54,4401.08 4247.54,4527.07 4257.87,4537.4 4307.93,4537.4 4309.9,4535.43 4565.94,4279.39 4565.94,2559.06 4425.2,2559.06 4425.2,3047.24 4417.32,3055.12 4417.32,3074.8 4425.2,3082.68 4425.2,3276.57 4414.37,3287.4 4414.37,3297.24 4425.2,3308.07 4425.2,4223.42
3V3 on Bottom Layer "3V3_L04_P077" (solid, remove dead copper, pour order 77): 3188.98,2559.06 4392.72,2559.06 4392.72,4212.67 4212.6,4392.78 4212.6,4566.93 4212.6,5000 3188.98,5000
VBAT on Top Layer "Top Layer-VBAT" (solid, pour order 74): 6712.6,5000 6968.5,4744.09 6968.5,3366.14 6779.53,3177.17 6578.74,3177.17 5988.19,3177.17 5948.82,3216.54 5948.82,3409.45 5795.28,3562.99 4877.95,3562.99 4755.91,3440.94 4755.91,3421.26 4736.22,3421.26 4732.28,3425.2 4732.28,3442.47 4732.28,3484.25 4832.68,3584.65 4834.65,3586.61 4834.65,3641.73 4892.72,3699.8 6337.6,3699.8 6657.48,4019.68 6657.48,4248.03 6574.8,4330.71 5984.25,4330.71 5944.88,4370.08 5944.88,4562.99 5791.34,4716.54 4874.02,4716.54 4752.95,4595.47 4752.95,4562.99 4726.3,4562.99 4716.54,4572.13 4716.54,4893.7 4822.83,5000
12V on Top Layer "12V_L01_P073" (solid, pour order 73): 4625.98,4769.69 4653.54,4742.13 4653.54,4596.46 4508.86,4451.77 4393.7,4451.77 4370.08,4475.39 4370.08,4518.7 4393.7,4542.32 4429.13,4542.32 4468.5,4581.69 4468.5,4734.25 4503.94,4769.69
GND on Top Layer "GND_L01_P072" (solid, pour order 72): 5988.19,2846.46 5948.82,2885.83 5948.82,3082.68 5988.19,3122.05 6578.74,3122.05 6618.11,3082.68 6618.11,2885.83 6578.74,2846.46
GND on Top Layer "GND_L01_P071" (solid, pour order 71): 5984.25,4000 5944.88,4039.37 5944.88,4236.22 5984.25,4275.59 6574.8,4275.59 6614.17,4236.22 6614.17,4039.37 6574.8,4000
GND on Layer 2 (split plane): 6948.41,2579.15 3209.07,2579.15 3209.07,4979.9 6948.41,4979.9
no net on Layer 2 (split plane): 5977.77,2704.73 5979.98,2703.81 5981.88,2702.35 5983.34,2700.45 5984.25,2698.24 5984.57,2695.87 5984.25,2693.49 5983.34,2691.28 5981.88,2689.38 5979.98,2687.92 5977.77,2687.01 5975.39,2686.69 5973.02,2687.01 5970.81,2687.92 5968.91,2689.38 5967.45,2691.28 5966.53,2693.49 5966.22,2695.87 5966.53,2698.24 5967.45,2700.45 5968.91,2702.35 5970.81,2703.81 5973.02,2704.73 5975.39,2705.04
no net on Layer 2 (split plane): 5969.89,3857.29 5972.11,3856.37 5974.01,3854.91 5975.46,3853.01 5976.38,3850.8 5976.69,3848.43 5976.38,3846.05 5975.46,3843.84 5974.01,3841.94 5972.11,3840.48 5969.89,3839.56 5967.52,3839.25 5965.15,3839.56 5962.93,3840.48 5961.03,3841.94 5959.58,3843.84 5958.66,3846.05 5958.35,3848.43 5958.66,3850.8 5959.58,3853.01 5961.03,3854.91 5962.93,3856.37 5965.15,3857.29 5967.52,3857.6
GND on Layer 1 (split plane): 6948.41,2579.15 3209.07,2579.15 3209.07,4979.9 6948.41,4979.9
GND on Layer 1 (split plane): 5977.77,2704.73 5979.98,2703.81 5981.88,2702.35 5983.34,2700.45 5984.25,2698.24 5984.57,2695.87 5984.25,2693.49 5983.34,2691.28 5981.88,2689.38 5979.98,2687.92 5977.77,2687.01 5975.39,2686.69 5973.02,2687.01 5970.81,2687.92 5968.91,2689.38 5967.45,2691.28 5966.53,2693.49 5966.22,2695.87 5966.53,2698.24 5967.45,2700.45 5968.91,2702.35 5970.81,2703.81 5973.02,2704.73 5975.39,2705.04
no net on Layer 1 (split plane): 5969.89,3857.29 5972.11,3856.37 5974.01,3854.91 5975.46,3853.01 5976.38,3850.8 5976.69,3848.43 5976.38,3846.05 5975.46,3843.84 5974.01,3841.94 5972.11,3840.48 5969.89,3839.56 5967.52,3839.25 5965.15,3839.56 5962.93,3840.48 5961.03,3841.94 5959.58,3843.84 5958.66,3846.05 5958.35,3848.43 5958.66,3850.8 5959.58,3853.01 5961.03,3854.91 5962.93,3856.37 5965.15,3857.29 5967.52,3857.6

## Keep-outs
Keep-Out Layer:
  the board outline again, w10

## Other copper
Bottom Layer:
  pour cut-out: 5216.54,3385.83 5216.54,3326.77 5157.48,3326.77 5157.48,3385.83
  pour cut-out: 5433.07,3385.83 5433.07,3326.77 5374.02,3326.77 5374.02,3385.83
  pour cut-out: 5649.61,3385.83 5649.61,3326.77 5590.55,3326.77 5590.55,3385.83
  pour cut-out: 5216.54,4527.56 5216.54,4468.5 5157.48,4468.5 5157.48,4527.56
  pour cut-out: 5433.07,4527.56 5433.07,4468.5 5374.02,4468.5 5374.02,4527.56
  pour cut-out: 5649.61,4527.56 5649.61,4468.5 5590.55,4468.5 5590.55,4527.56
  pour cut-out: 6042.32,2686.02 6029.53,2673.23 5871.06,2673.23 5871.06,2883.86 5870.08,2883.86 5809.28,2942.28 5806.18,3235.24 5829.72,3235.24 5915.35,3149.61 5868.11,3102.36 5868.11,2914.37 6042.32,2740.16
  pour cut-out: 6043.31,3849.41 6022.64,3828.74 5865.16,3828.74 5865.16,4037.4 5864.17,4037.4 5788.39,4110.24 5785.43,4388.78 5823.82,4388.78 5909.45,4303.15 5862.2,4255.91 5862.2,4067.91 6043.31,3886.81
Layer 1 (plane layer: these items are gaps in the copper):
  circle w10: c5975.39,2695.87 r14.2
  circle w10: c5967.52,3848.43 r14.2
Layer 2 (plane layer: these items are gaps in the copper):
  circle w10: c5975.39,2695.87 r14.2
  circle w10: c5967.52,3848.43 r14.2
  lines w20: 4606.3,2637.8 4606.3,4133.86

## Silkscreen, mask and mechanical layers (free items; w line width, h text height)
Top Overlay:
  text "CAN" at 3500.16,4840.71 h40
  text "SA" at 5265.91,4517.87 h40
  text "SB" at 5462.76,4517.87 h40
  text "SC" at 5659.61,4517.87 h40
  text "TX-RX" at 3290.51,3961.77 h40
  text "BOOT" at 3564.13,3961.77 h40
  text "SA" at 5267.72,3366.14 h40
  text "SB" at 5464.57,3366.14 h40
  text "SC" at 5661.42,3366.14 h40
  text "RESET" at 3281.65,3029.68 h40
Bottom Overlay:
  text "AUVIC - Dec.7.2021" at 6842.39,4637.67 h40 r90
  text "Grabber Arm & Ball Dropper - REV0" at 6907.8,4637.67 h40 r90
  text "PCB: Jesse Farrell (jessefarrell92@gmail.com)" at 5662.29,2595.74 h30
Mechanical 1:
  the board outline again, w47.24

## Text inside footprints (layer, text, board x,y; h text height)
FB1: Top Assembly "Land Pattern Adapted for Flow Soldering" at 3817.66,3362.88 h1.97 r45